# Altium PCB V1_PCB-main.PcbDoc (part 1 of 7)
Units mm, origin at the board's own origin, x right, y up, seen from the top; angles counter-clockwise.
Board outline 178 x 75 mm, 4 copper layers (Top Layer, Inner layer 1, Inner layer 2, Bottom Layer), stack 1.596 mm thick; 451 components, 230 nets, 1388 pads, 724 vias.
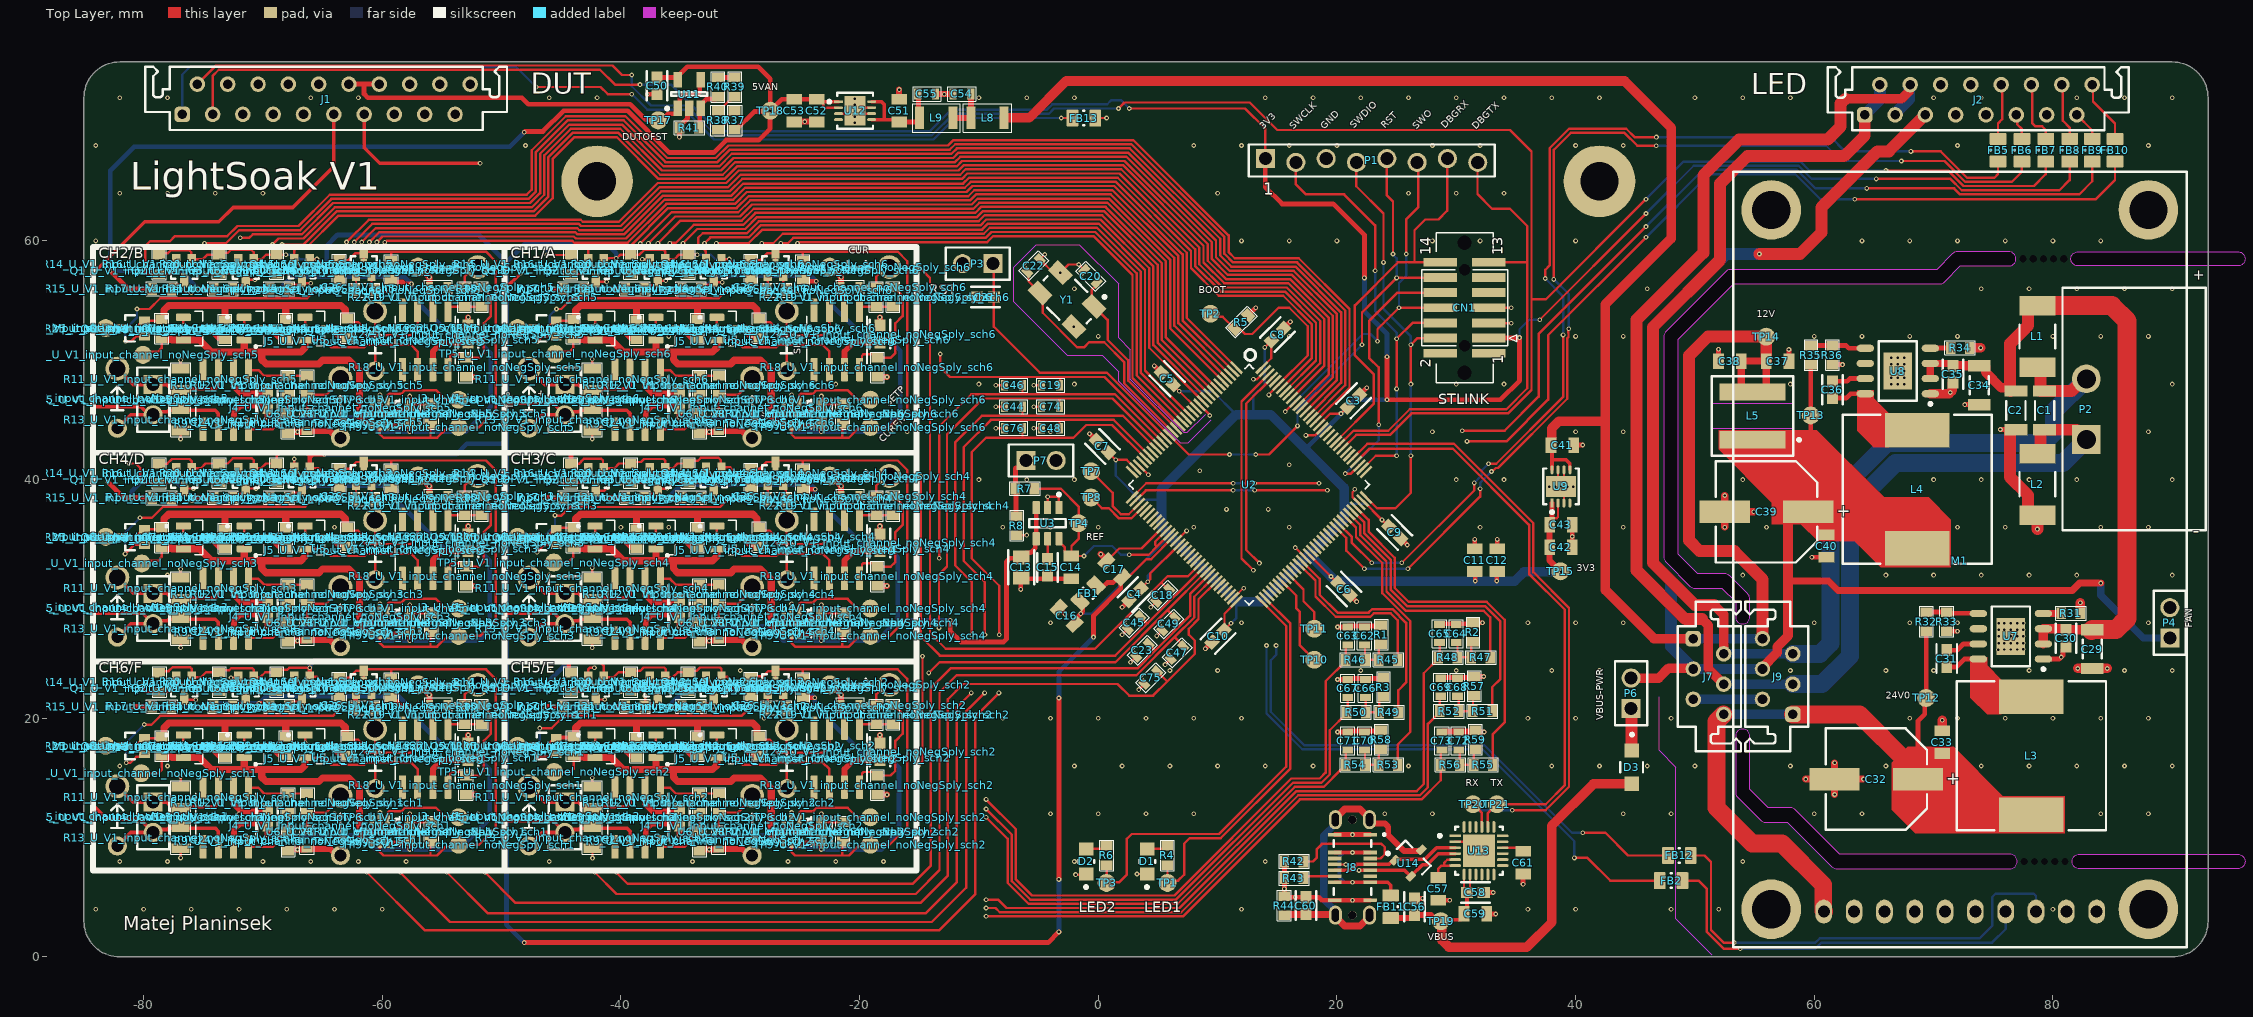
[diagram p0: Top Layer view]
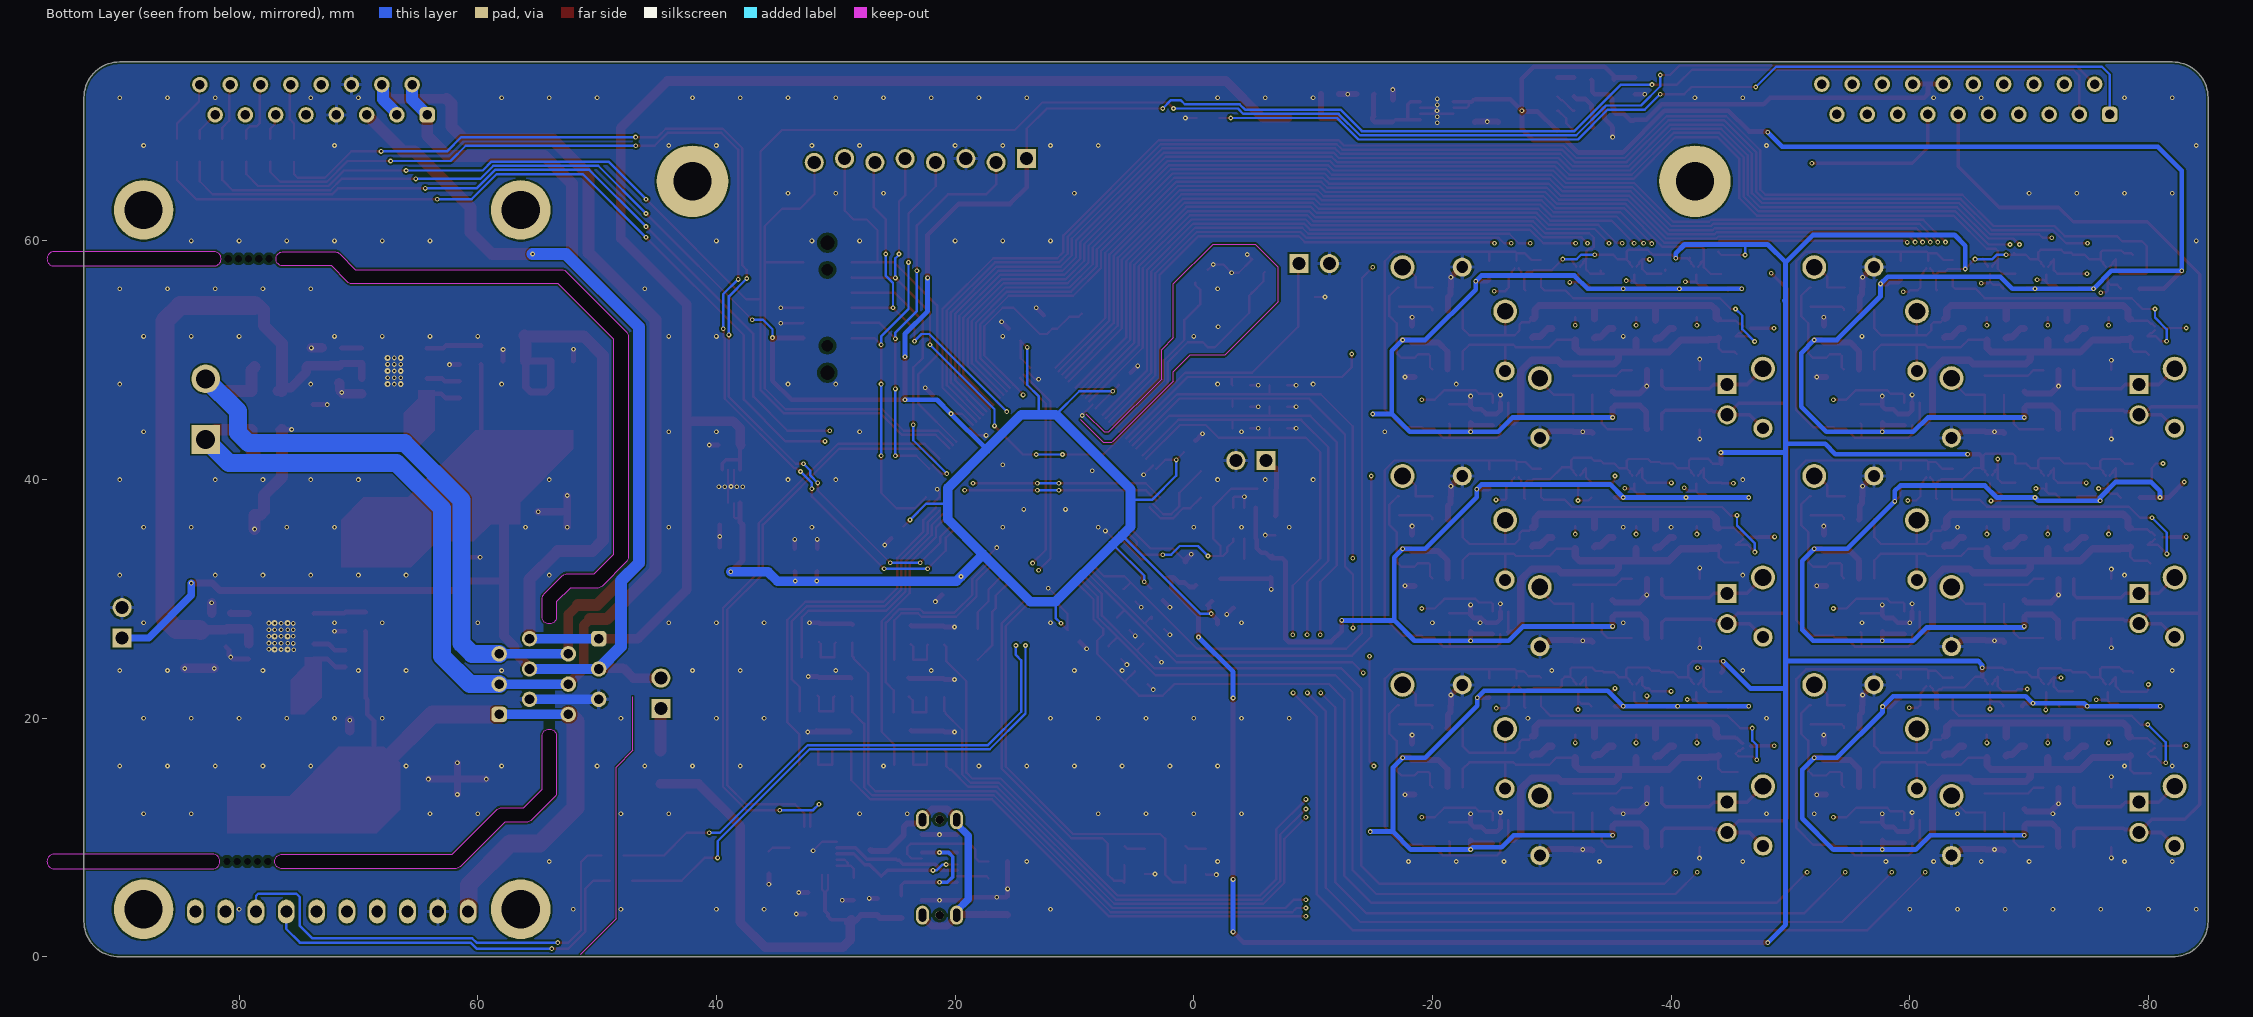
[diagram p1: Bottom Layer view, seen from below]
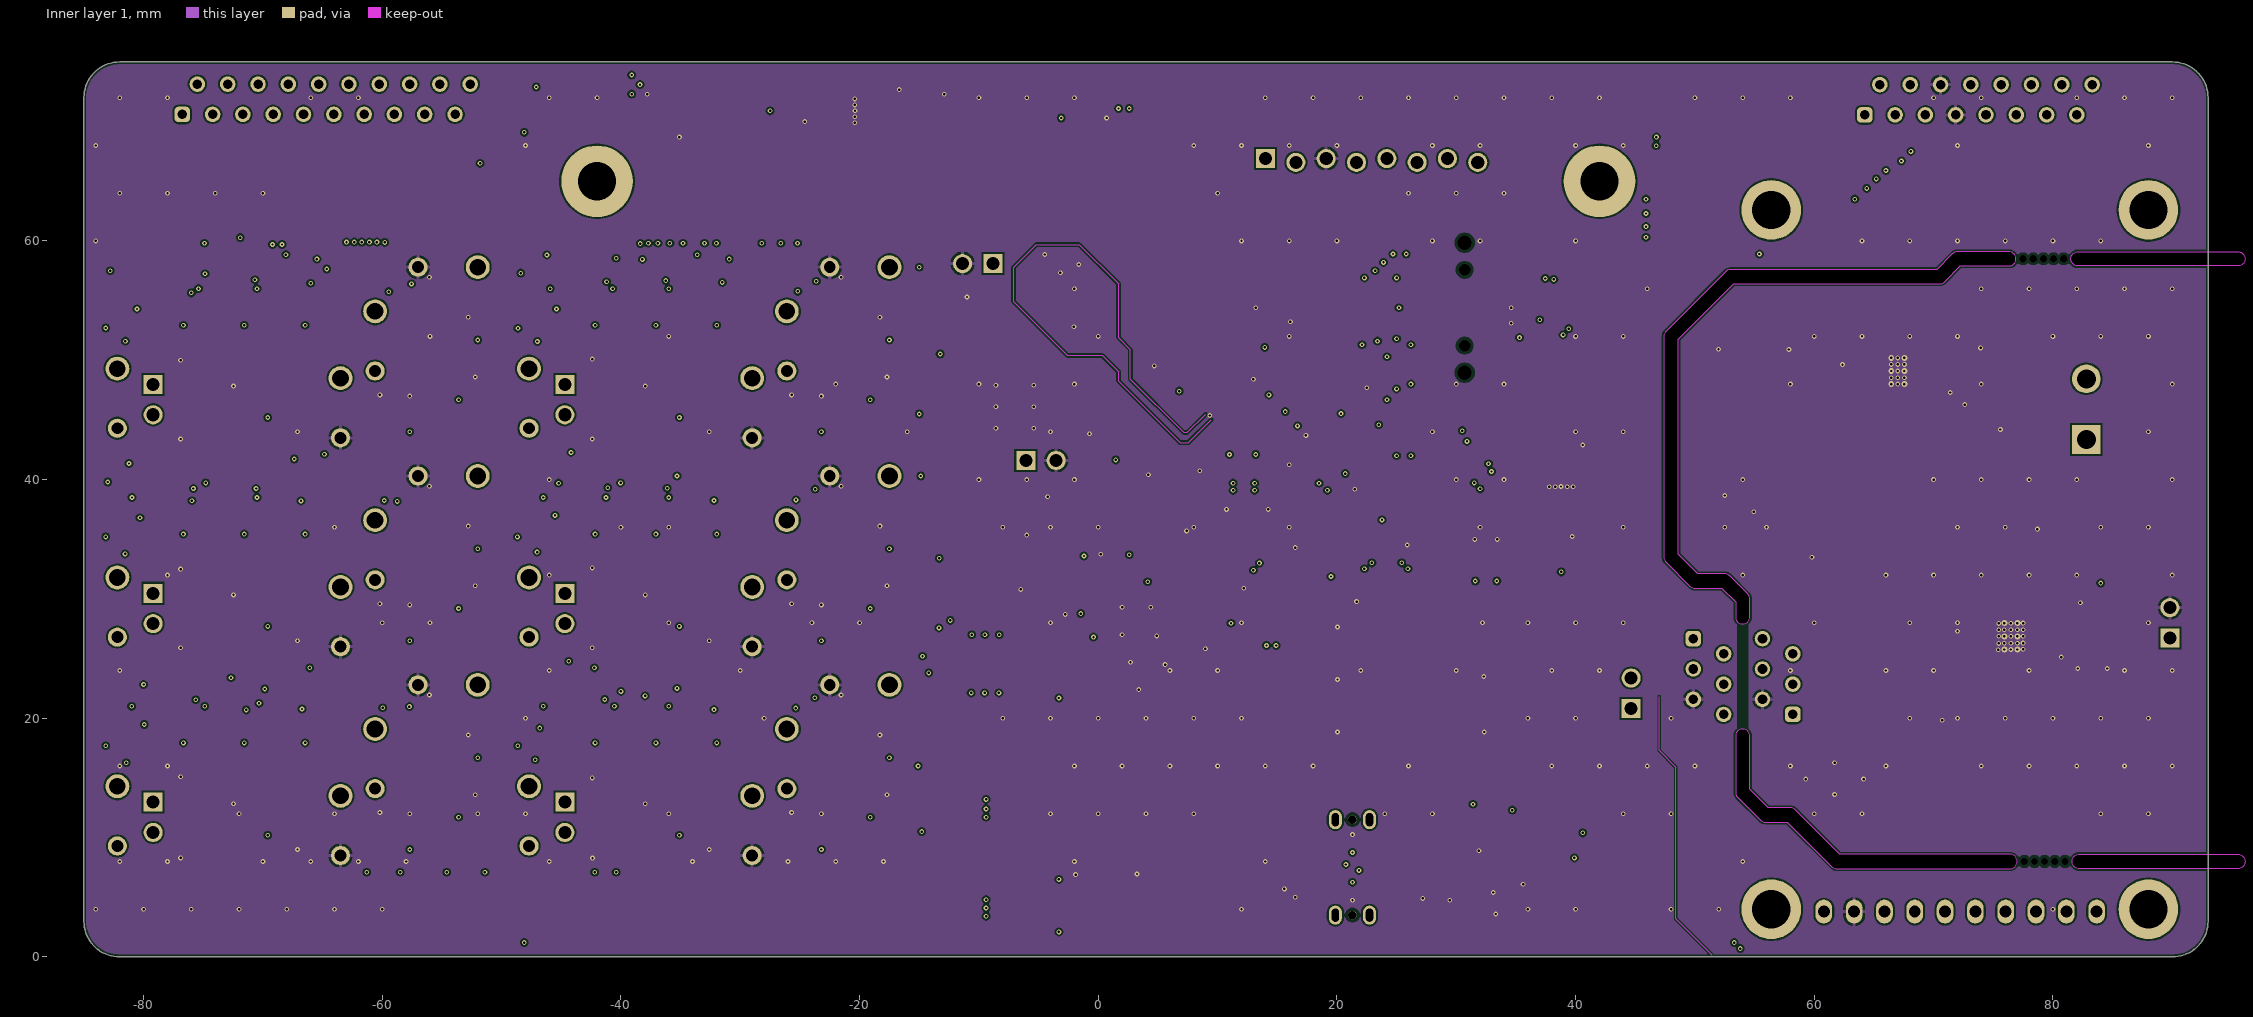
[diagram p2: Inner layer 1]
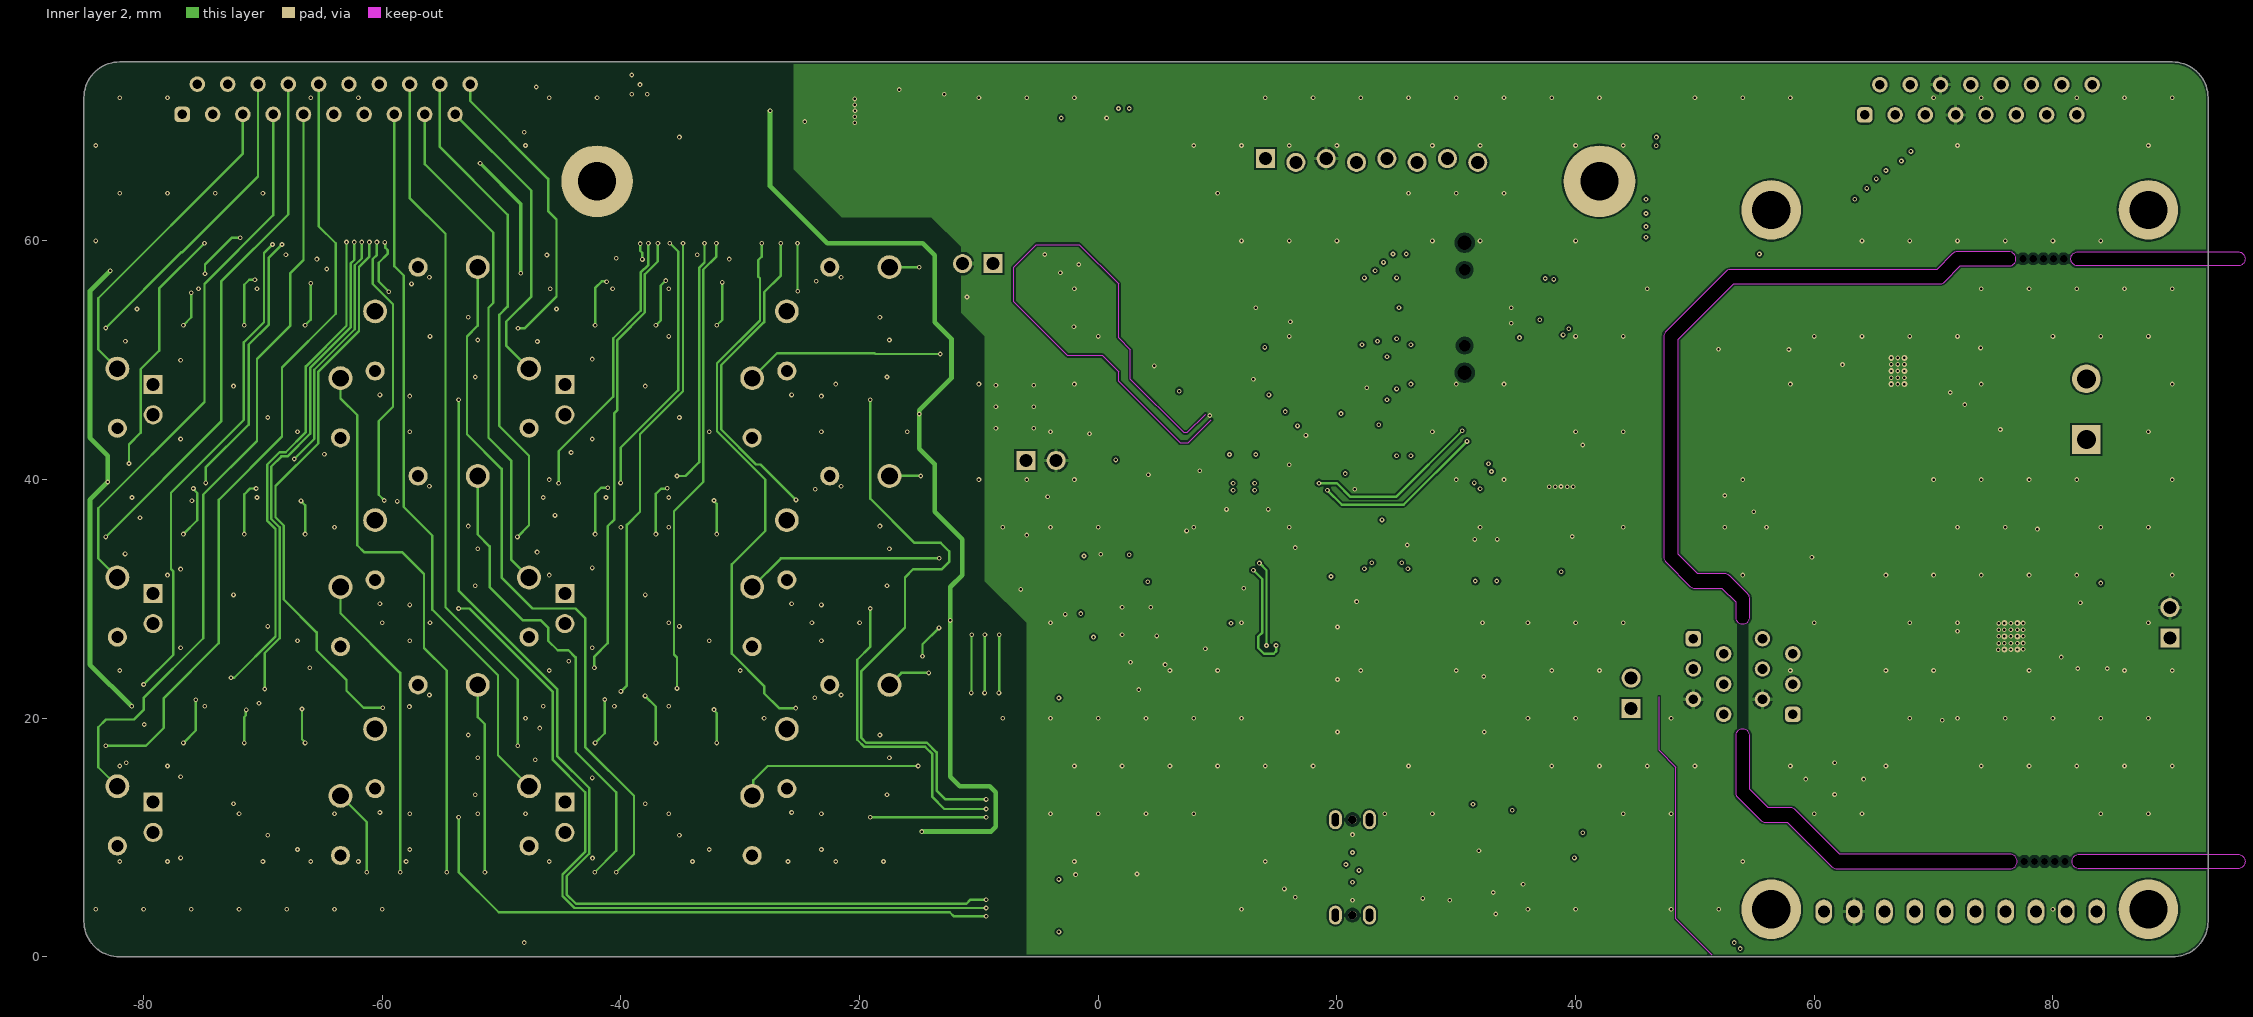
[diagram p3: Inner layer 2]
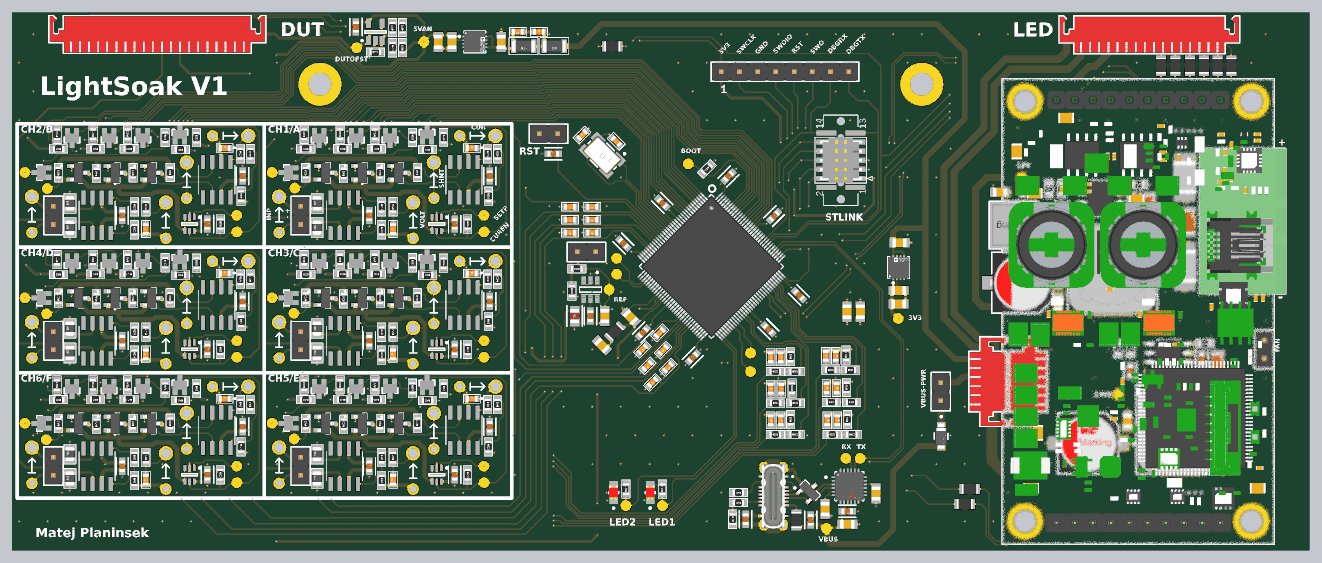
[diagram p10: 3D render of the assembled board from above, using the file's embedded part models]

## Layer stack, top to bottom
Top Solder: solder mask 0.0102, Solder Resist, Dk 3.5
Top Layer: signal copper 0.0356
Dielectric 2: prepreg 0.21, PP-006, Dk 4.1
Inner layer 1: signal copper 0.0175
Core: dielectric 1.07, FR-4, Dk 4.5
Inner layer 2: signal copper 0.0175
Dielectric 3: prepreg 0.21, PP-006, Dk 4.1
Bottom Layer: signal copper 0.0356
Bottom Solder: solder mask 0.0102, Solder Resist, Dk 3.5

## Board outline
-82,0 cw(c-82,3) -85,3 -85,72 cw(c-82,72) -82,75 90,75 cw(c90.002,72.002) 93,72 93,3 cw(c90,3) 90,0
cut-out: 55.475,11.475 ccw(c55.9,11.9) 55.9,11.3 57.751,11.3 61.475,7.575 ccw(c61.9,8) 61.9,7.4 76.4,7.4 ccw(c76.4,8) 77,8 ccw(c76.4,8) 76.4,8.6 62.149,8.6 58.425,12.325 ccw(c58,11.9) 58,12.5 56.149,12.5 54.6,14.049 54.6,18.5 ccw(c54,18.5) 53.4,18.5 53.4,13.8 ccw(c54,13.8) 53.575,13.375
cut-out: 49.575,31.075 ccw(c50,31.5) 50,30.9 52.251,30.9 53.4,29.751 53.4,28.5 ccw(c54,28.5) 54.6,28.5 54.6,30 ccw(c54,30) 54.425,30.425 52.925,31.925 ccw(c52.5,31.5) 52.5,32.1 50.249,32.1 48.6,33.749 48.6,51.751 53.249,56.4 70.5,56.4 ccw(c70.5,57) 70.925,56.575 72.249,57.9 76.3,57.9 ccw(c76.3,58.5) 76.9,58.5 ccw(c76.3,58.5) 76.3,59.1 72,59.1 ccw(c72,58.5) 71.575,58.925 70.251,57.6 53,57.6 ccw(c53,57) 52.575,57.425 47.575,52.425 ccw(c48,52) 47.4,52 47.4,33.5 ccw(c48,33.5) 47.575,33.075
cut-out: 82.2,7.4 cw(c82.2,8) 82.2,8.6 95.5,8.6 cw(c95.5,8) 96.1,8 cw(c95.5,8) 95.5,7.4
cut-out: 82.1,57.9 cw(c82.1,58.5) 82.1,59.1 95.5,59.1 cw(c95.5,58.5) 96.1,58.5 cw(c95.5,58.5) 95.5,57.9

## Design rules (kind name [scope] priority, off if disabled: settings)
BoardOutlineClearance [All] p1: gap=0.2 ignorepadtopadclearanceinfootprint=FALSE
Clearance [All] p1: gap=0.15 ignorepadtopadclearanceinfootprint=FALSE except(0.25: Arc-Hole Track-Hole THPad-Hole Via-Hole Fill-Hole Poly-Hole Region-Hole Text-Hole)
ComponentClearance [All] p1: gap=0 collisioncheckmode=3 verticalgap=0 showdistances=TRUE
DiffPairsRouting [All] p1: maxlimit=0.15 minlimit=0.15 mostfreqgap=0.15 toplayer_minwidth=0.2 toplayer_maxwidth=0.335 toplayer_prefwidth=0.335 midlayer1_minwidth=0.381 midlayer1_maxwidth=0.381 midlayer1_prefwidth=0.381 midlayer2_minwidth=0.381 midlayer2_maxwidth=0.381 midlayer2_prefwidth=0.381 bottomlayer_minwidth=0.2 bottomlayer_maxwidth=0.335 bottomlayer_prefwidth=0.335 maxuncoupledlength=12.7
Height [All] p1: minheight=0 maxheight=1816.048 prefheight=12.7
HoleSize [All] p1: absolutevalues=TRUE maxlimit=6.3 minlimit=0.2 maxpercent=80.000 minpercent=20.000
HoleToHoleClearance [All] p1: gap=0.25 allowstackedmicrovias=FALSE
MinimumAnnularRing [All] p1: minimumring=0.076
MinimumSolderMaskSliver [All] p1: minsoldermaskwidth=0
PasteMaskExpansion [All] p1: expansion=0 percent=-10.000000
PlaneClearance [All] p1: clearance=0.102
PlaneConnect PlaneConnectPowerPads [InPadClass('PowerPads')] p1: planeconnectstyle=Direct reliefexpansion=0.508 reliefentries=4 reliefconductorwidth=0.254 reliefairgap=0.254
PlaneConnect [All] p2: pad.planeconnectstyle=Relief pad.reliefexpansion=0.3 pad.reliefentries=4 pad.reliefconductorwidth=0.102 pad.reliefairgap=0.102 via.planeconnectstyle=Direct via.reliefexpansion=0.3 via.reliefentries=4 via.reliefconductorwidth=0.127 via.reliefairgap=0.127
PolygonConnect PolygonConnectPowerPads [All vs (InPadClass('PowerPads'))] p1: connectstyle=Direct reliefconductorwidth=0.254 reliefentries=4 polygonreliefangle="90 Angle" airgapwidth=0.254
PolygonConnect [All] p2: thpad.connectstyle=Relief thpad.reliefconductorwidth=0.3 thpad.reliefentries=4 thpad.polygonreliefangle="90 Angle" thpad.airgapwidth=0.2 smdpad.connectstyle=Relief smdpad.reliefconductorwidth=0.2 smdpad.reliefentries=4 smdpad.polygonreliefangle="90 Angle" smdpad.airgapwidth=0.2 via.connectstyle=Direct via.reliefconductorwidth=0.127 via.reliefentries=4 via.polygonreliefangle="90 Angle" via.airgapwidth=0.127
RoomDefinition U_V1_input_channel_noNegSply_sch1 [InComponentClass('U_V1_input_channel_noNegSply_sch1')] p1: confinementstyle=ConfineIn formatcopy=TRUE lockcomponents=FALSE outline -84.1,7.4 -49.9,7.4 -49.9,24.5 -84.1,24.5
RoomDefinition U_V1_input_channel_noNegSply_sch2 [InComponentClass('U_V1_input_channel_noNegSply_sch2')] p2: confinementstyle=ConfineIn formatcopy=TRUE lockcomponents=FALSE outline -49.6,7.4 -15.4,7.4 -15.4,24.5 -49.6,24.5
RoomDefinition U_V1_input_channel_noNegSply_sch3 [InComponentClass('U_V1_input_channel_noNegSply_sch3')] p3: confinementstyle=ConfineIn formatcopy=TRUE lockcomponents=FALSE outline -84.1,24.9 -49.9,24.9 -49.9,42 -84.1,42
RoomDefinition U_V1_input_channel_noNegSply_sch6 [InComponentClass('U_V1_input_channel_noNegSply_sch6')] p4: confinementstyle=ConfineIn formatcopy=TRUE lockcomponents=FALSE outline -49.6,42.4 -15.4,42.4 -15.4,59.5 -49.6,59.5
RoomDefinition U_V1_input_channel_noNegSply_sch5 [InComponentClass('U_V1_input_channel_noNegSply_sch5')] p5: confinementstyle=ConfineIn formatcopy=TRUE lockcomponents=FALSE outline -84.1,42.4 -49.9,42.4 -49.9,59.5 -84.1,59.5
RoomDefinition U_V1_input_channel_noNegSply_sch4 [InComponentClass('U_V1_input_channel_noNegSply_sch4')] p6: confinementstyle=ConfineIn formatcopy=TRUE lockcomponents=FALSE outline -49.6,24.9 -15.4,24.9 -15.4,42 -49.6,42
RoutingVias [All] p1: holewidth=0.2 width=0.4 viastyle="Through Hole" minholewidth=0.15 minwidth=0.35 maxholewidth=6.3 maxwidth=6.55
SilkToSilkClearance [All] p1: silktosilkclearance=0
SilkToSolderMaskClearance [IsPad] p1: minsilkscreentomaskgap=0.02 clearancetoexposedcopper=TRUE
SolderMaskExpansion SolderMaskExpansion_VIAS [IsVia] p1: expansion=0.102 istentingtop=TRUE // SolderMask expansion for vias (defines tenting)
SolderMaskExpansion [All] p2: expansion=0.102 istentingtop=FALSE
Width [All] p1: maxlimit=1816.048 minlimit=0.09 preferedwidth=0.102 midlayer1_minwidth=0.102 midlayer2_minwidth=0.102 minimp=50.000000 maximp=50.000000 favimp=50.000000
19 further rules are at their usual default settings.

## Classes and differential pairs
channel class V1_input_channel_noNegSply_sch: U_V1_input_channel_noNegSply_sch1 U_V1_input_channel_noNegSply_sch2 U_V1_input_channel_noNegSply_sch3 U_V1_input_channel_noNegSply_sch4 U_V1_input_channel_noNegSply_sch5 U_V1_input_channel_noNegSply_sch6
component class V1_sch: C3 C4 C5 C6 C7 C8 C9 C10 C11 C12 C13 C14 C15 C16 C17 C18 C19 C20 C21 C22 C23 C44 C45 C46 C47 C48 C49 C74 C75 C76 CN1 D1 D2 FB1 FB2 FB5 FB6 FB7 FB8 FB9 FB10 FB12 FB13 J1 J2 M1 P1 P3 P4 P7 R4 R5 R6 R7 R8 TP1 TP2 TP3 TP4 TP7 TP8 TP10 TP11 U2 U3 Y1
component class U_V1_USB_sch: C56 C57 C58 C59 C60 C61 FB11 J8 R42 R43 R44 TP19 TP20 TP21 U13 U14
component class U_V1_pwr_sply_noNegSply_sch: C1 C2 C29 C30 C31 C32 C33 C34 C35 C36 C37 C38 C39 C40 C41 C42 C43 C50 C51 C52 C53 C54 C55 D3 J7 J9 L1 L2 L3 L4 L5 L8 L9 P2 P6 R31 R32 R33 R34 R35 R36 R37 R38 R39 R40 R41 TP12 TP13 TP14 TP15 TP17 TP18 U7 U8 U9 U11 U12
component class U_V1_PWM-to-analog_sch: C62 C63 C64 C65 C66 C67 C68 C69 C70 C71 C72 C73 R1 R2 R3 R45 R46 R47 R48 R49 R50 R51 R52 R53 R54 R55 R56 R57 R58 R59
component class U_V1_input_channel_noNegSply_sch6: C24_U_V1_input_channel_noNegSply_sch6 C25_U_V1_input_channel_noNegSply_sch6 C26_U_V1_input_channel_noNegSply_sch6 C27_U_V1_input_channel_noNegSply_sch6 C28_U_V1_input_channel_noNegSply_sch6 J3_U_V1_input_channel_noNegSply_sch6 J4_U_V1_input_channel_noNegSply_sch6 J5_U_V1_input_channel_noNegSply_sch6 J6_U_V1_input_channel_noNegSply_sch6 P5_U_V1_input_channel_noNegSply_sch6 Q1_U_V1_input_channel_noNegSply_sch6 Q2_U_V1_input_channel_noNegSply_sch6 Q3_U_V1_input_channel_noNegSply_sch6 Q4_U_V1_input_channel_noNegSply_sch6 Q5_U_V1_input_channel_noNegSply_sch6 Q6_U_V1_input_channel_noNegSply_sch6 Q7_U_V1_input_channel_noNegSply_sch6 Q8_U_V1_input_channel_noNegSply_sch6 R9_U_V1_input_channel_noNegSply_sch6 R10_U_V1_input_channel_noNegSply_sch6 R11_U_V1_input_channel_noNegSply_sch6 R12_U_V1_input_channel_noNegSply_sch6 R13_U_V1_input_channel_noNegSply_sch6 R14_U_V1_input_channel_noNegSply_sch6 R15_U_V1_input_channel_noNegSply_sch6 R16_U_V1_input_channel_noNegSply_sch6 R17_U_V1_input_channel_noNegSply_sch6 R18_U_V1_input_channel_noNegSply_sch6 R19_U_V1_input_channel_noNegSply_sch6 R20_U_V1_input_channel_noNegSply_sch6 R21_U_V1_input_channel_noNegSply_sch6 R22_U_V1_input_channel_noNegSply_sch6 R23_U_V1_input_channel_noNegSply_sch6 R24_U_V1_input_channel_noNegSply_sch6 R25_U_V1_input_channel_noNegSply_sch6 R26_U_V1_input_channel_noNegSply_sch6 R27_U_V1_input_channel_noNegSply_sch6 R28_U_V1_input_channel_noNegSply_sch6 R29_U_V1_input_channel_noNegSply_sch6 R30_U_V1_input_channel_noNegSply_sch6 TP5_U_V1_input_channel_noNegSply_sch6 TP6_U_V1_input_channel_noNegSply_sch6 TP9_U_V1_input_channel_noNegSply_sch6 TP22_U_V1_input_channel_noNegSply_sch6 U4_U_V1_input_channel_noNegSply_sch6 U5_U_V1_input_channel_noNegSply_sch6 U6_U_V1_input_channel_noNegSply_sch6
component class U_V1_input_channel_noNegSply_sch5: C24_U_V1_input_channel_noNegSply_sch5 C25_U_V1_input_channel_noNegSply_sch5 C26_U_V1_input_channel_noNegSply_sch5 C27_U_V1_input_channel_noNegSply_sch5 C28_U_V1_input_channel_noNegSply_sch5 J3_U_V1_input_channel_noNegSply_sch5 J4_U_V1_input_channel_noNegSply_sch5 J5_U_V1_input_channel_noNegSply_sch5 J6_U_V1_input_channel_noNegSply_sch5 P5_U_V1_input_channel_noNegSply_sch5 Q1_U_V1_input_channel_noNegSply_sch5 Q2_U_V1_input_channel_noNegSply_sch5 Q3_U_V1_input_channel_noNegSply_sch5 Q4_U_V1_input_channel_noNegSply_sch5 Q5_U_V1_input_channel_noNegSply_sch5 Q6_U_V1_input_channel_noNegSply_sch5 Q7_U_V1_input_channel_noNegSply_sch5 Q8_U_V1_input_channel_noNegSply_sch5 R9_U_V1_input_channel_noNegSply_sch5 R10_U_V1_input_channel_noNegSply_sch5 R11_U_V1_input_channel_noNegSply_sch5 R12_U_V1_input_channel_noNegSply_sch5 R13_U_V1_input_channel_noNegSply_sch5 R14_U_V1_input_channel_noNegSply_sch5 R15_U_V1_input_channel_noNegSply_sch5 R16_U_V1_input_channel_noNegSply_sch5 R17_U_V1_input_channel_noNegSply_sch5 R18_U_V1_input_channel_noNegSply_sch5 R19_U_V1_input_channel_noNegSply_sch5 R20_U_V1_input_channel_noNegSply_sch5 R21_U_V1_input_channel_noNegSply_sch5 R22_U_V1_input_channel_noNegSply_sch5 R23_U_V1_input_channel_noNegSply_sch5 R24_U_V1_input_channel_noNegSply_sch5 R25_U_V1_input_channel_noNegSply_sch5 R26_U_V1_input_channel_noNegSply_sch5 R27_U_V1_input_channel_noNegSply_sch5 R28_U_V1_input_channel_noNegSply_sch5 R29_U_V1_input_channel_noNegSply_sch5 R30_U_V1_input_channel_noNegSply_sch5 TP5_U_V1_input_channel_noNegSply_sch5 TP6_U_V1_input_channel_noNegSply_sch5 TP9_U_V1_input_channel_noNegSply_sch5 TP22_U_V1_input_channel_noNegSply_sch5 U4_U_V1_input_channel_noNegSply_sch5 U5_U_V1_input_channel_noNegSply_sch5 U6_U_V1_input_channel_noNegSply_sch5
component class U_V1_input_channel_noNegSply_sch4: C24_U_V1_input_channel_noNegSply_sch4 C25_U_V1_input_channel_noNegSply_sch4 C26_U_V1_input_channel_noNegSply_sch4 C27_U_V1_input_channel_noNegSply_sch4 C28_U_V1_input_channel_noNegSply_sch4 J3_U_V1_input_channel_noNegSply_sch4 J4_U_V1_input_channel_noNegSply_sch4 J5_U_V1_input_channel_noNegSply_sch4 J6_U_V1_input_channel_noNegSply_sch4 P5_U_V1_input_channel_noNegSply_sch4 Q1_U_V1_input_channel_noNegSply_sch4 Q2_U_V1_input_channel_noNegSply_sch4 Q3_U_V1_input_channel_noNegSply_sch4 Q4_U_V1_input_channel_noNegSply_sch4 Q5_U_V1_input_channel_noNegSply_sch4 Q6_U_V1_input_channel_noNegSply_sch4 Q7_U_V1_input_channel_noNegSply_sch4 Q8_U_V1_input_channel_noNegSply_sch4 R9_U_V1_input_channel_noNegSply_sch4 R10_U_V1_input_channel_noNegSply_sch4 R11_U_V1_input_channel_noNegSply_sch4 R12_U_V1_input_channel_noNegSply_sch4 R13_U_V1_input_channel_noNegSply_sch4 R14_U_V1_input_channel_noNegSply_sch4 R15_U_V1_input_channel_noNegSply_sch4 R16_U_V1_input_channel_noNegSply_sch4 R17_U_V1_input_channel_noNegSply_sch4 R18_U_V1_input_channel_noNegSply_sch4 R19_U_V1_input_channel_noNegSply_sch4 R20_U_V1_input_channel_noNegSply_sch4 R21_U_V1_input_channel_noNegSply_sch4 R22_U_V1_input_channel_noNegSply_sch4 R23_U_V1_input_channel_noNegSply_sch4 R24_U_V1_input_channel_noNegSply_sch4 R25_U_V1_input_channel_noNegSply_sch4 R26_U_V1_input_channel_noNegSply_sch4 R27_U_V1_input_channel_noNegSply_sch4 R28_U_V1_input_channel_noNegSply_sch4 R29_U_V1_input_channel_noNegSply_sch4 R30_U_V1_input_channel_noNegSply_sch4 TP5_U_V1_input_channel_noNegSply_sch4 TP6_U_V1_input_channel_noNegSply_sch4 TP9_U_V1_input_channel_noNegSply_sch4 TP22_U_V1_input_channel_noNegSply_sch4 U4_U_V1_input_channel_noNegSply_sch4 U5_U_V1_input_channel_noNegSply_sch4 U6_U_V1_input_channel_noNegSply_sch4
component class U_V1_input_channel_noNegSply_sch3: C24_U_V1_input_channel_noNegSply_sch3 C25_U_V1_input_channel_noNegSply_sch3 C26_U_V1_input_channel_noNegSply_sch3 C27_U_V1_input_channel_noNegSply_sch3 C28_U_V1_input_channel_noNegSply_sch3 J3_U_V1_input_channel_noNegSply_sch3 J4_U_V1_input_channel_noNegSply_sch3 J5_U_V1_input_channel_noNegSply_sch3 J6_U_V1_input_channel_noNegSply_sch3 P5_U_V1_input_channel_noNegSply_sch3 Q1_U_V1_input_channel_noNegSply_sch3 Q2_U_V1_input_channel_noNegSply_sch3 Q3_U_V1_input_channel_noNegSply_sch3 Q4_U_V1_input_channel_noNegSply_sch3 Q5_U_V1_input_channel_noNegSply_sch3 Q6_U_V1_input_channel_noNegSply_sch3 Q7_U_V1_input_channel_noNegSply_sch3 Q8_U_V1_input_channel_noNegSply_sch3 R9_U_V1_input_channel_noNegSply_sch3 R10_U_V1_input_channel_noNegSply_sch3 R11_U_V1_input_channel_noNegSply_sch3 R12_U_V1_input_channel_noNegSply_sch3 R13_U_V1_input_channel_noNegSply_sch3 R14_U_V1_input_channel_noNegSply_sch3 R15_U_V1_input_channel_noNegSply_sch3 R16_U_V1_input_channel_noNegSply_sch3 R17_U_V1_input_channel_noNegSply_sch3 R18_U_V1_input_channel_noNegSply_sch3 R19_U_V1_input_channel_noNegSply_sch3 R20_U_V1_input_channel_noNegSply_sch3 R21_U_V1_input_channel_noNegSply_sch3 R22_U_V1_input_channel_noNegSply_sch3 R23_U_V1_input_channel_noNegSply_sch3 R24_U_V1_input_channel_noNegSply_sch3 R25_U_V1_input_channel_noNegSply_sch3 R26_U_V1_input_channel_noNegSply_sch3 R27_U_V1_input_channel_noNegSply_sch3 R28_U_V1_input_channel_noNegSply_sch3 R29_U_V1_input_channel_noNegSply_sch3 R30_U_V1_input_channel_noNegSply_sch3 TP5_U_V1_input_channel_noNegSply_sch3 TP6_U_V1_input_channel_noNegSply_sch3 TP9_U_V1_input_channel_noNegSply_sch3 TP22_U_V1_input_channel_noNegSply_sch3 U4_U_V1_input_channel_noNegSply_sch3 U5_U_V1_input_channel_noNegSply_sch3 U6_U_V1_input_channel_noNegSply_sch3